# Altium PCB PCB3.PcbDoc (part 2 of 2)
Units mil, origin at the board's own origin, x right, y up, seen from the top; angles counter-clockwise.
Board outline 1700 x 2952.76 mil, 4 copper layers (Top Layer, Int1 (GND), Int2 (PWR), Bottom Layer), stack 31.734 mil thick; 78 components, 106 nets, 698 pads, 475 vias.
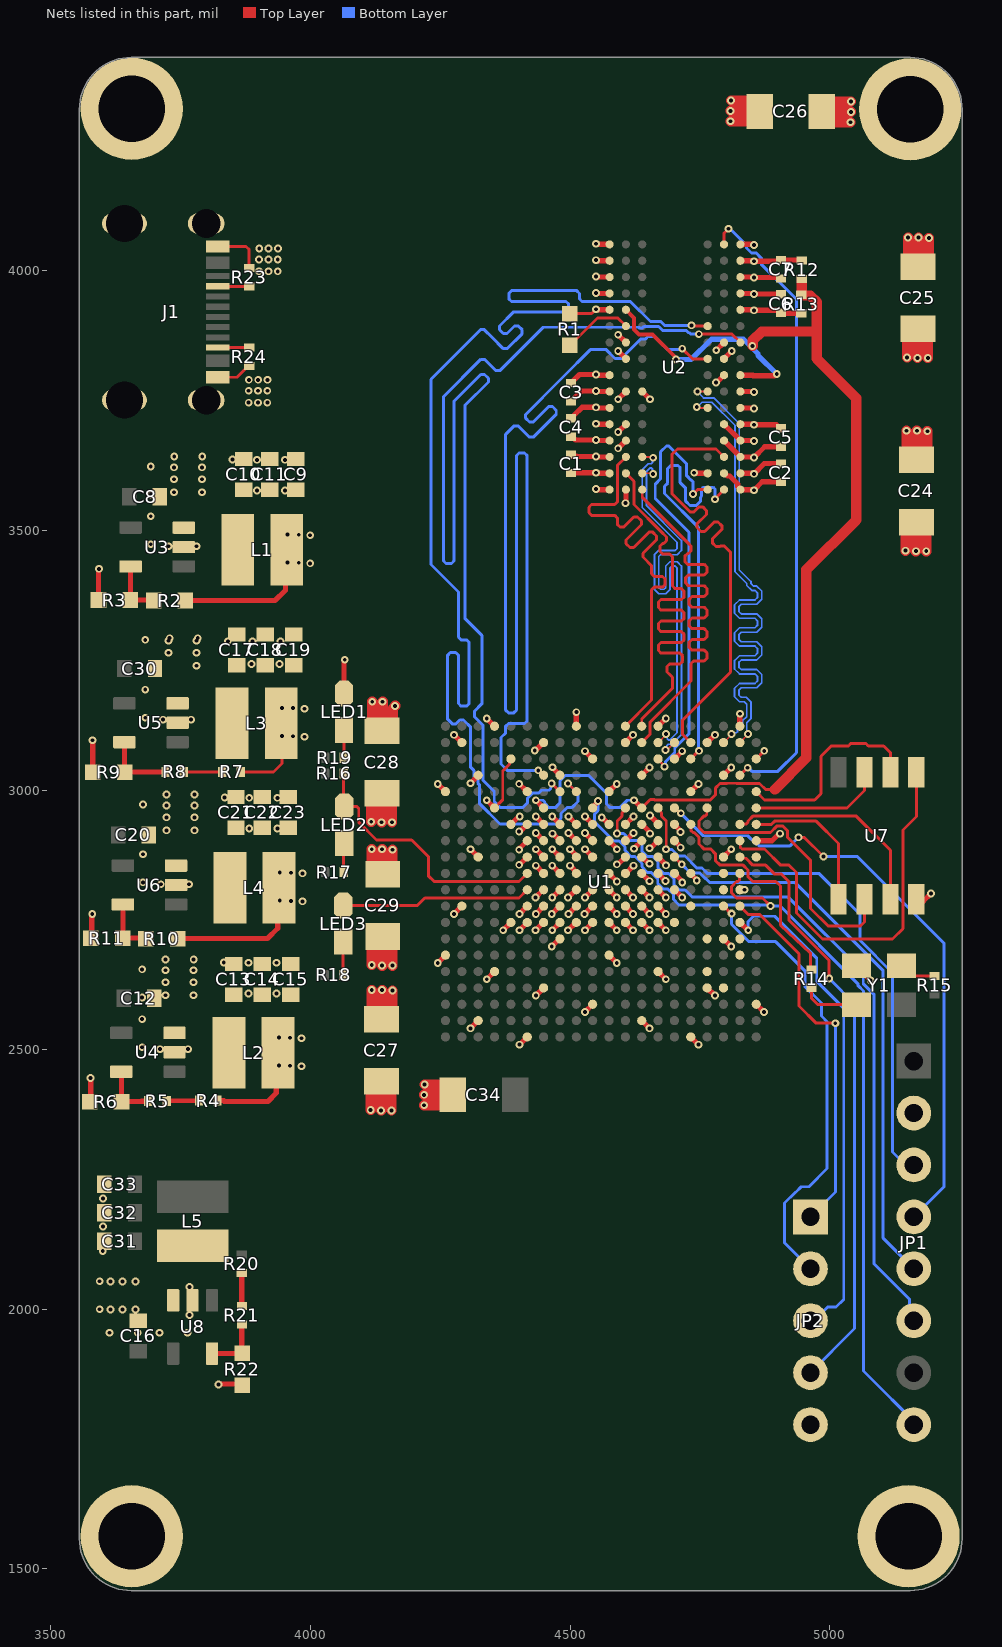
[diagram p4: the nets of this part, all layers, seen from the top]

## Via types
v1: diameter 15, hole 7.5, Top Layer to Bottom Layer, tented both sides, 471 vias
v2: diameter 15, hole 7, Top Layer to Bottom Layer, tented both sides, 4 vias

## Nets (pads, with @x,y where several pads share a name; then routed paths per layer and width w, separated by ;. In a path a pad name is that pad's centre, name@x,y a point inside that pad or via, vN(x,y) a via of type N, cw(c..) or ccw(c..) an arc to the next point about the centre after c; other vN are vias at no path point) (continued)
DDR_DQ10: U1.J1 U2.C8 | length 871.6
  Top Layer w5.68: U1.J1@4606.5,3122.95 4657,3173.46 4657,3362.1 4657,3385.62 4662.17,3390.79 4678.02,3390.79 4683.19,3395.96 4683.19,3406.3 4678.02,3411.47 4662.17,3411.47 4657,3416.64 4657,3421.55 4657,3432 4640.43,3448.57 4640.43,3455.89 4666.56,3482.02 4666.56,3489.33 4659.24,3496.64 4651.93,3496.64 4622.49,3467.19 4615.18,3467.19 4607.86,3474.51 4607.86,3481.82 4637.31,3511.26 4637.31,3518.58 4630,3525.89 4622.69,3525.89 4603.48,3506.68 4596.17,3506.68 4591,3511.85 4591,3516.84 4591,3521.01 4591,3523.85 4585.83,3529.02 4541.51,3529.02 4536.34,3534.19 4536.34,3544.53 4541.51,3549.7 4585.83,3549.7 4591,3554.87 4591,3570 4591,3624.98 U2.C8@4607.52,3641.5
DDR_DQ11: U1.E2 U2.C2 | length 871.6
  Top Layer w5.68: U1.E2@4732.48,3091.46 4716.78,3107.15 4716.78,3134.78 4809,3227 4809,3458 4799,3468 4796.99,3470.01 4789.68,3470.01 4788.51,3468.83 4781.19,3468.83 4773.88,3476.15 4773.88,3483.46 4792.24,3501.81 4792.24,3509.12 4784.93,3516.44 4777.62,3516.44 4759.26,3498.08 4751.95,3498.08 4744.64,3505.39 4744.64,3512.7 4762.7,3530.76 4762.7,3538.07 4755.39,3545.39 4748.08,3545.39 4738.5,3535.81 4731.19,3535.81 4703,3564 4696,3571 4696,3646 4707,3657 4780.99,3657 U2.C2@4796.5,3641.5
DDR_DQ12: U1.H2 U2.A7 | length 869.8
  Top Layer w5.68: U1.H2@4637.99,3091.46 4653.79,3107.25 4653.79,3130.79 4733,3210 4733,3220 4733,3243.52 4738.17,3248.69 4758.33,3248.69 4763.5,3253.86 4763.5,3264.2 4758.33,3269.37 4734.62,3269.37 4729.45,3274.54 4729.45,3284.88 4734.62,3290.05 4758.33,3290.05 4763.5,3295.22 4763.5,3305.56 4758.33,3310.73 4734.62,3310.73 4729.45,3315.9 4729.45,3326.24 4734.62,3331.41 4758.33,3331.41 4763.5,3336.58 4763.5,3346.92 4758.33,3352.09 4734.62,3352.09 4729.45,3357.26 4729.45,3367.6 4734.62,3372.77 4758.33,3372.77 4763.5,3377.94 4763.5,3388.28 4758.33,3393.45 4727.76,3393.45 4722.59,3398.62 4722.59,3408.96 4727.76,3414.13 4758.33,3414.13 4763.5,3419.3 4763.5,3429.64 4758.33,3434.81 4726.17,3434.81 4721,3439.98 4721,3450.32 4726.17,3455.49 4727.83,3455.49 4733,3460.66 4733,3470 4727.76,3475.24 4639.02,3563.98 U2.A7@4639.02,3578.5
DDR_DQ13: U1.E3 U2.A2 | length 827.1
  Top Layer w5.68: U1.E3@4732.48,3059.49 U1.E3@4732.48,3059.96 ; U1.E3@4732.48,3060.43 U1.E3@4732.48,3059.96 ; v1(4748.02,3075.5) U1.E3@4732.48,3059.96 ; v1(4779,3560) 4779,3561.01 U2.A2@4796.5,3578.5
  Bottom Layer w5.68: v1(4748.02,3075.5) 4747,3076.51 4747,3506 4682,3571 4682,3585 4688,3591 4688,3619 4694,3625 4708,3625 4712,3621 4712,3592 4722.66,3581.34 4722.66,3556.34 4731,3548 4743,3548 4751,3556 4751,3563.72 4753.32,3566.04 4753.32,3579.67 4756.64,3583 4775.67,3583 4779,3579.67 v1(4779,3560)
DDR_DQ14: U1.H1 U2.B8 | length 871.6
  Top Layer w5.68: U2.B8@4607.52,3610 4623,3594.52 4623,3550 4674.46,3498.54 4685.5,3487.5 4685.5,3480.19 4680.33,3475.02 4678.42,3475.02 4673.25,3469.85 4673.25,3459.51 4678.42,3454.34 4691.83,3454.34 4697,3449.17 4697,3439.52 4697,3395.77 4697,3392.93 4702.17,3387.76 4714.6,3387.76 4719.77,3382.59 4719.77,3372.25 4714.6,3367.08 4675.25,3367.08 4670.08,3361.91 4670.08,3351.57 4675.25,3346.4 4714.6,3346.4 4719.77,3341.23 4719.77,3330.89 4714.6,3325.72 4675.25,3325.72 4670.08,3320.55 4670.08,3310.21 4675.25,3305.04 4714.6,3305.04 4719.77,3299.87 4719.77,3289.53 4714.6,3284.36 4675.25,3284.36 4670.08,3279.19 4670.08,3268.85 4675.25,3263.68 4711.65,3263.68 4716.82,3258.51 4716.82,3248.17 4711.65,3243 4691.83,3243 4686.66,3237.83 4686.66,3227.49 4691.83,3222.32 4697,3217.15 4697,3204 4697,3196 4637.99,3136.99 U1.H1@4637.99,3122.95
DDR_DQ15: U1.G3 U2.A3 | length 841.4
  Top Layer w5.68: U1.G3@4669.49,3059.96 4669.49,3058.74 4682,3046.22 v1(4682,3045) ; v1(4737,3570) 4745.5,3578.5 U2.A3@4765,3578.5
  Bottom Layer w5.68: v1(4682,3045) 4683.65,3046.65 4683.65,3054.65 4701.57,3072.57 4701.57,3080.83 4729,3108.26 4729,3496.34 4664,3561.34 4664,3589 4674.34,3599.34 4674.34,3651.34 4685.51,3662.51 4690.21,3662.51 4724.64,3628.08 4724.64,3605.11 4733.04,3596.71 4733.67,3596.71 4737,3593.38 v1(4737,3570)
DDR_DQS0_N: U1.B2 U2.G3 | length 1033
  Top Layer w3.39: v1(4745.5,3767.47) U2.G3@4759.52,3767.47 ; U1.B2@4826.97,3091.46 4842.48,3106.97 v1(4842.48,3108)
  Bottom Layer w3.39: v1(4745.5,3767.47) 4745.5,3766.73 4756.97,3755.25 4776.62,3755.25 4826,3705.87 4826,3423.87 4848.3,3401.57 4848.59,3401.28 4848.59,3397.41 4853.19,3392.82 4859.67,3392.82 4869.19,3383.3 4869.19,3367.15 4859.67,3357.63 4829.74,3357.63 4825.14,3353.03 4825.14,3343.84 4829.74,3339.24 4859.67,3339.24 4869.19,3329.72 4869.19,3313.57 4859.67,3304.05 4829.74,3304.05 4825.14,3299.46 4825.14,3290.26 4829.74,3285.66 4859.67,3285.66 4869.19,3276.14 4869.19,3259.99 4859.67,3250.48 4829.74,3250.48 4825.14,3245.88 4825.14,3236.68 4829.74,3232.08 4859.67,3232.08 4869.19,3222.56 4869.19,3206.41 4859.67,3196.9 4829.74,3196.9 4825.14,3192.3 4825.14,3183.1 4829.74,3178.5 4839.08,3178.5 4848.59,3168.99 4848.59,3143.56 4848.59,3138.06 4840.26,3129.72 4840.26,3110.22 v1(4842.48,3108)
DDR_DQS0_P: U1.C2 U2.F3 | length 1033
  Top Layer w3.39: v1(4744.02,3737.46) 4745.5,3735.97 U2.F3@4759.52,3735.97 ; U1.C2@4795.47,3091.46 4810.98,3106.97 v1(4810.98,3108)
  Bottom Layer w3.39: v1(4744.02,3737.46) 4744.76,3737.46 4754.16,3746.86 4773.14,3746.86 4817.61,3702.39 4817.61,3420.39 4836.43,3401.57 4840.2,3397.8 4840.2,3393.94 4849.71,3384.42 4856.19,3384.42 4860.79,3379.82 4860.79,3370.63 4856.19,3366.03 4826.26,3366.03 4816.75,3356.51 4816.75,3340.36 4826.26,3330.84 4856.19,3330.84 4860.79,3326.24 4860.79,3317.05 4856.19,3312.45 4826.26,3312.45 4816.75,3302.93 4816.75,3286.78 4826.26,3277.26 4856.19,3277.26 4860.79,3272.67 4860.79,3263.47 4856.19,3258.87 4826.26,3258.87 4816.75,3249.35 4816.75,3233.2 4826.26,3223.69 4856.19,3223.69 4860.79,3219.09 4860.79,3209.89 4856.19,3205.29 4826.26,3205.29 4816.75,3195.78 4816.75,3179.62 4826.26,3170.11 4835.6,3170.11 4840.2,3165.51 4840.2,3143.56 4840.2,3141.53 4831.87,3133.2 4831.87,3127.92 4822.53,3118.59 4822.53,3112.3 4820.45,3110.22 4813.2,3110.22 v1(4810.98,3108)
DDR_DQS1_N: U1.F2 U2.B7 | length 815.4
  Top Layer w3.39: U2.B7@4644.5,3610.01 v1@4658.52,3610.01 ; v1(4684,3077) 4686.53,3077 U1.F2@4700.98,3091.46
  Bottom Layer w3.39: v1(4660,3608.53) 4658.54,3609.98 4658.54,3618.09 4656.56,3620.08 4653.74,3620.08 4647.41,3613.74 4647.41,3547.59 4714.39,3480.61 4714.39,3468.98 4714.39,3461.35 4706.13,3453.08 4674.16,3453.08 4670.82,3449.73 4670.82,3389.94 4674.16,3386.59 4680.86,3386.59 4684.21,3389.94 4684.21,3431.42 4692.48,3439.69 4706.13,3439.69 4714.39,3431.42 4714.39,3372 4714.39,3106.86 4695.63,3088.1 4689.34,3088.1 4686.22,3084.97 4686.22,3079.22 v1(4684,3077)
DDR_DQS1_P: U1.G2 U2.C7 | length 815.4
  Top Layer w3.39: U2.C7@4644.5,3641.51 v1@4658.52,3641.51 ; U1.G2@4669.49,3091.46 4685,3106.97 v1(4685,3108)
  Bottom Layer w3.39: v1(4660,3640.02) 4658.54,3638.57 4658.54,3630.46 4656.56,3628.47 4650.27,3628.47 4639.01,3617.22 4639.01,3544.11 4706,3477.13 4706,3468.98 4706,3464.82 4702.65,3461.48 4670.69,3461.48 4662.42,3453.21 4662.42,3386.46 4670.69,3378.19 4684.34,3378.19 4692.61,3386.46 4692.61,3427.94 4695.95,3431.29 4702.65,3431.29 4706,3427.94 4706,3372 4706,3110.34 4692.15,3096.49 4689.34,3096.49 4687.22,3098.61 4687.22,3105.78 v1(4685,3108)
DDR_ODT: U1.N5 U2.K1 | length 2435
  Top Layer w5.68: v1(4464.5,3012.5) 4480.04,2996.97 U1.N5@4480.51,2996.97 ; v1(4748,3878) 4811.96,3878 U2.K1@4827.99,3861.97
  Bottom Layer w5.68: v1(4464.5,3012.5) 4462.79,3010.79 4462.79,3002.93 4459.46,2999.6 4444.89,2999.6 4440.03,2994.74 4428.15,2994.74 4418.34,2984.93 4418.34,2975.87 4408.53,2966.06 4365.67,2966.06 4353.94,2977.79 4353.94,2997.34 4332.02,3019.26 4332.02,3125.18 4316.35,3140.85 4316.35,3152.35 4330,3166 4330,3298 4297.35,3330.65 4297.35,3390 4297.35,3403.18 4297.35,3740.35 4342.69,3785.69 4342.69,3793 4335.38,3800.31 4328.06,3800.31 4276.67,3748.92 4276.67,3441.41 4271.5,3436.24 4261.16,3436.24 4255.99,3441.41 4255.99,3757.48 4328.06,3829.56 4335.38,3829.56 4357.31,3807.62 4364.62,3807.62 4366.63,3809.63 4448.24,3891.24 4632.24,3891.24 4634.05,3889.42 4638.76,3889.42 4642.04,3892.7 4670.68,3892.7 4678.06,3885.32 4723.4,3885.32 4728.06,3880.66 4730.03,3880.66 4732.69,3878 v1(4748,3878)
DDR_RAS: U1.P4 U2.J3 | length 2464.7
  Top Layer w5.68: v1(4438.74,3038) 4448.28,3028.46 U1.P4@4449.02,3028.46 ; v1(4716,3850) 4735.53,3830.47 U2.J3@4765,3830.47
  Bottom Layer w5.68: v1(4438.74,3038) 4379,3038 4367,3050 4367,3101 4376,3110 4376,3120 4376,3122.84 4381.17,3128.01 4412.19,3128.01 4417.36,3133.18 4417.36,3643.99 4412.19,3649.16 4401.85,3649.16 4396.68,3643.99 4396.68,3153.86 4391.51,3148.69 4381.17,3148.69 4376,3153.86 4376,3652 4376,3685 4390.5,3699.5 4392.51,3701.51 4399.82,3701.51 4421.75,3679.57 4429.06,3679.57 4473.35,3723.85 4473.35,3731.17 4466.03,3738.48 4458.72,3738.48 4429.06,3708.82 4421.75,3708.82 4414.44,3716.13 4414.44,3723.44 4480.84,3789.84 4486.5,3795.5 4539,3848 4569.71,3848 4586.65,3831.06 4598.53,3831.06 4636.47,3869 4645.72,3869 4650.06,3873.34 4662.66,3873.34 4688,3848 4708.01,3848 4708.23,3848.22 4714.22,3848.22 v1(4716,3850)
DDR_RESET_N: U1.B4 U2.T2 | length 1236.8
  Top Layer w5.68: U2.T2@4796.5,4050.94 4796.5,4072.5 v1(4805,4081) ; U1.B4@4826.97,3028.46 4841.5,3043 v1(4842,3043)
  Bottom Layer w5.68: v1(4805,4081) 4807.52,4081 4811.67,4076.85 4812.15,4076.85 4839.68,4049.32 4839.68,4043.96 4849.48,4034.15 4858.55,4034.15 4868.36,4024.34 4868.36,4012.64 4936,3945 4936,3072 4900,3036 4849.99,3036 4842.99,3043 v1(4842,3043)
DDR_WE: U1.M5 U2.L3 | length 2450.5
  Top Layer w5.68: v1(4496,3012.5) 4511.54,2996.97 U1.M5@4512.01,2996.97 ; v1(4734,3895) 4735.54,3893.46 U2.L3@4765,3893.46
  Bottom Layer w5.68: v1(4496,3012.5) 4515,2993.5 4515,2978.04 4503.02,2966.06 4493.96,2966.06 4482.74,2954.84 4482.74,2945.78 4471.52,2934.56 4365.16,2934.56 4325.26,2974.46 4325.26,3010.26 4322.34,3013.18 4322.34,3018.94 4314.68,3026.6 4314.68,3038.01 4307.96,3044.73 4307.96,3121.86 4296.91,3132.91 4294.9,3134.92 4287.59,3134.92 4280.28,3127.61 4272.97,3127.61 4264.26,3136.32 4264.26,3259.78 4269.43,3264.94 4279.77,3264.94 4284.94,3259.78 4284.94,3166.72 4290.11,3161.55 4300.45,3161.55 4305.62,3166.72 4305.62,3284.14 4300.45,3289.31 4290.11,3289.31 4284.94,3294.48 4284.94,3309.99 4284.94,3318 4284.94,3381.34 4232,3434.28 4232,3791 4325.56,3884.56 4327.57,3886.57 4334.88,3886.57 4349.51,3871.95 4371.44,3850.01 4378.75,3850.01 4407.7,3878.96 4407.7,3886.27 4400.39,3893.58 4393.07,3893.58 4378.75,3879.26 4371.44,3879.26 4364.13,3886.57 4364.13,3893.88 4390.57,3920.32 4492.13,3920.32 4497.3,3925.49 4497.3,3935.83 4492.13,3941 4387.17,3941 4382,3946.17 4382,3956.51 4387.17,3961.68 4512.81,3961.68 4517.98,3956.51 4517.98,3946.17 4523.15,3941 4525.99,3941 4616,3941 4654.62,3902.38 4674.69,3902.38 4682.07,3895 v1(4734,3895)
ETH_MDC: U1.C10
ETH_MDIO: U1.C11
GND: C1.2 C2.2 C3.2 C4.2 C5.2 C6.2 C7.2 C8.2 C9.2 C10.2 C11.2 C12.2 C13.2 C14.2 C15.2 C16.2 C17.2 C18.2 C19.2 C20.2 C21.2 C22.2 C23.2 C24.2 C25.2 C26.2 C27.2 C28.2 C29.2 C30.2 C31.2 C32.2 C33.2 C34.2 J1.1 J1.2 J1.3 J1.4 J1.A1-B12 J1.B1-A12 JP1.2 JP2.5 LED1.2 pad. R1.1 R3.1 R6.1 R9.1 R11.1 R13.1 R22.1 R23.1 R24.1 U1.A8 U1.A18 U1.B1 U1.B11 U1.C4 U1.C9 U1.C14 U1.D17 U1.E10 U1.E20 U1.F3 U1.F7 U1.F10 U1.G10 U1.G12 U1.G16 U1.H7 U1.H9 U1.H11 U1.H13 U1.H19 U1.J2 U1.J8 U1.J10 U1.J12 U1.K5 U1.K7 U1.K10 U1.K11 U1.K13 U1.K15 U1.L8 U1.L9 U1.L12 U1.L18 U1.M1 U1.M7 U1.M9 U1.M10 U1.M11 U1.M13 U1.N4 U1.N8 U1.N10 U1.N12 U1.N14 U1.P7 U1.P9 U1.P11 U1.P13 U1.P17 U1.R8 U1.R12 U1.R20 U1.T3 U1.T7 U1.T13 U1.U6 U1.U16 U1.V9 U1.V19 U1.W2 U1.W12 U1.Y5 U1.Y15 U2.A9 U2.B1 U2.B3 U2.B9 U2.D1 U2.D8 U2.E1 U2.E2 U2.E8 U2.F9 U2.G1 U2.G8 U2.G9 U2.J2 U2.J8 U2.M1 U2.M9 U2.P1 U2.P9 U2.T1 U2.T9 U3.2 U4.2 U5.2 U6.2 U7.4 U8.2 Y1.2 | length 3970.5
  Top Layer w5.68: J1.B1-A12@3821.84,3795.02 3858.47,3795.02 3880.03,3816.57 R24.1@3882,3816.57 ; J1.A1-B12@3821.84,4046.98 3876.02,4046.98 3882,4041 R23.1@3882,4005.43 ; U1.U6@4354.53,2965.47 4370.33,2981.27 4370.33,3036.86 4383.72,3050.25 4383.72,3057.66 U1.T3@4386.02,3059.96 ; R1.1@4499,3917.59 4541.58,3917.59 v1(4550,3926.01)
  Top Layer w10: v1(3576.25,2445.28) 3577,2444.53 R6.1@3577,2399.4 ; R11.1@3579,2715 3579,2756.47 3580.18,2757.65 v1@3580.18,2759 ; v1(3580.07,3095.88) 3580.82,3095.13 R9.1@3580.82,3034 ; R3.1@3591.82,3366 3591.82,3423.47 3593,3424.65 v1(3593,3426) ; v1(3822.72,1855.25) 3823.47,1856 R22.1@3868.6,1856 ; LED1.2@4064.74,3186 4064.74,3248.39 4066,3249.65 v1(4066,3251) ; v1(4245.11,2667.08) U1.Y15@4260.04,2682.01 ; v1(4245.11,3011.9) U1.Y5@4260.04,2996.97 ; v1(4276.61,2761.57) U1.W12@4291.54,2776.5 ; v1(4276.61,3106.38) U1.W2@4291.54,3091.46 ; v1(4308.1,2541.1) U1.V19@4323.03,2556.02 ; v1(4308.1,2885.91) U1.V9@4323.03,2870.98 ; v1(4339.6,2635.58) U1.U16@4354.53,2650.51 ; v1(4339.6,2980.4) U1.U6@4354.53,2965.47 ; v1(4371.1,2730.07) U1.T13@4386.02,2745 ; U1.T7@4386.02,2933.98 4400.09,2948.04 4402.04,2948.04 v1(4403,2949) ; v1(4402,2885) 4402.96,2885.96 4402.96,2887.92 U1.R8@4417.52,2902.48 ; v1(4402.59,2509.6) U1.R20@4417.52,2524.53 ; v1(4402.59,2761.57) U1.R12@4417.52,2776.5 ; v1(4433.27,2730.07) U1.P13@4448.2,2745 ; v1(4433.27,2793.06) U1.P11@4448.2,2807.99 ; v1(4434.09,2604.09) U1.P17@4449.02,2619.02 ; v1(4434.09,2885.91) U1.P9@4449.02,2870.98 ; v1(4434.09,2948.9) U1.P7@4449.02,2933.98 ; v1(4464.76,2698.58) U1.N14@4479.69,2713.5 ; v1(4464.76,2761.57) U1.N12@4479.69,2776.5 ; v1(4465.58,2854.42) U1.N10@4480.51,2839.49 ; v1(4466,2916) 4466.99,2916 U1.N8@4480.51,2902.48 ; v1(4466.05,3043.98) 4466.05,3042.93 U1.N4@4480.51,3028.46 ; v1(4496.26,2730.07) U1.M13@4511.19,2745 ; v1(4496.26,2793.06) U1.M11@4511.19,2807.99 ; v1(4497.08,2948.9) U1.M7@4512.01,2933.98 ; v1(4499.58,2854.4) U1.M10@4514.51,2839.47 ; v1(4499.58,2885.9) U1.M9@4514.51,2870.97 ; C1.2@4502,3610.57 4502.48,3611.05 v1(4550,3611.05) 4551.35,3611.05 4552.4,3610 U2.B9@4576.02,3610 ; C4.2@4502,3716 4503.97,3716 4506.84,3718.87 4506.84,3720.84 4523.03,3737.03 v1(4550,3737.03) 4551.35,3737.03 4552.4,3735.98 U2.F9@4576.02,3735.98 ; C3.2@4502,3748.28 4503.97,3748.28 4506.84,3751.16 4506.84,3753.13 4522.24,3768.53 v1(4550,3768.53) 4551.35,3768.53 4552.4,3767.48 U2.G9@4576.02,3767.48 ; U1.M1@4512.01,3122.95 v1(4512,3150) ; v1(4527.76,2761.57) U1.L12@4542.68,2776.5 ; v1(4528.58,2572.59) U1.L18@4543.5,2587.52 ; v1(4528.58,2885.91) U1.L9@4543.5,2870.98 ; v1(4528.58,2917.41) U1.L8@4543.5,2902.48 ; v1(4550,3579.55) 4551.35,3579.55 4552.4,3578.5 U2.A9@4576.02,3578.5 ; v1(4550,3926.01) 4551.35,3926.01 4552.4,3924.96 U2.M9@4576.02,3924.96 ; v1(4550,3989) 4551.35,3989 4552.4,3987.95 U2.P9@4576.02,3987.95 ; v1(4550,4051.99) 4551.35,4051.99 4552.4,4050.94 U2.T9@4576.02,4050.94 ; v1(4561,2947) 4561.98,2947 U1.K7@4575,2933.98 ; U1.K15@4575,2682.01 v1(4589.93,2667.08) ; U1.K13@4575,2745 v1(4589.93,2730.07) ; U1.K11@4575,2807.99 v1(4589.93,2793.06) ; U1.K10@4575,2839.49 4590,2824.49 v1(4590,2824) ; U1.K5@4575,2996.97 v1(4589.93,3011.9) ; v1(4592.59,3658.06) U2.D8@4607.52,3672.99 ; v1(4592.59,3689.56) U2.E8@4607.52,3704.49 ; v1(4592.59,3752.55) U2.G8@4607.52,3767.48 ; v1(4592.59,3845.4) U2.J8@4607.52,3830.47 ; U1.J12@4606.5,2776.5 v1(4621.42,2761.57) ; U1.J2@4606.5,3091.46 v1(4621.42,3106.38) ; U1.J10@4607.32,2839.49 v1(4622.24,2854.42) ; U1.J8@4607.32,2902.48 v1(4622.24,2917.41) ; U1.H19@4637.99,2556.02 v1(4652.92,2541.1) ; U1.H13@4637.99,2745 v1(4652.92,2730.07) ; U1.H11@4637.99,2807.99 v1(4652.92,2793.06) ; U1.H9@4638.81,2870.98 4651.8,2858 v1(4653,2858) ; U1.H7@4638.81,2933.98 4653.04,2919.75 4653.04,2916.96 v1(4654,2916) ; U1.G16@4669.49,2650.51 v1(4684.42,2635.58) ; U1.G12@4669.49,2776.5 v1(4684.42,2761.57) ; U1.G10@4670.31,2839.49 4670.31,2838.69 v1(4684,2825) ; U1.F10@4700.98,2839.49 4715.04,2825.43 4715.04,2822.96 v1(4716,2822) ; U1.F7@4700.98,2933.98 4700.98,2933.64 4711.91,2922.72 4711.91,2919.97 v1(4712.87,2919.01) ; U1.F3@4700.98,3059.96 v1(4715.91,3074.89) ; U1.E20@4732.48,2524.53 v1(4747.41,2509.6) ; U1.E10@4732.48,2839.49 4732.48,2838.79 4744,2827.27 v1(4744,2826) ; v1(4738.98,3611.05) 4740.33,3611.05 4741.38,3610 U2.B3@4765,3610 ; U1.D17@4763.98,2619.02 v1(4778.9,2604.09) ; U1.C14@4795.47,2713.5 v1(4810.4,2698.58) ; U1.C9@4795.47,2870.98 v1(4810.4,2885.91) ; U1.C4@4795.47,3028.46 v1(4810.4,3043.39) ; U2.E2@4796.5,3704.49 U2.D1@4827.99,3672.99 4851.62,3672.99 4852.66,3671.94 v1(4854.02,3671.94) ; U2.J2@4796.5,3830.47 v1(4811.42,3845.4) ; U1.B11@4826.97,2807.99 v1(4836,2808) ; U1.B1@4826.97,3122.95 4826.92,3123 4826.92,3146.92 v1(4827,3147) ; U2.B1@4827.99,3610 4851.62,3610 4852.66,3608.95 v1(4854.02,3608.95) 4874.06,3629 C2.2@4906,3629 ; U2.E1@4827.99,3704.49 4851.62,3704.49 4852.66,3703.44 v1(4854.02,3703.44) 4897.31,3703.44 4904.03,3696.72 C5.2@4906,3696.72 ; U2.G1@4827.99,3767.48 4851.62,3767.48 4852.66,3766.43 v1(4854.02,3766.43) ; U2.M1@4827.99,3924.96 4851.62,3924.96 4852.66,3923.91 v1(4854.02,3923.91) C6.2@4901.37,3923.91 ; U2.P1@4827.99,3987.95 4851.62,3987.95 4852.66,3986.91 v1(4854.02,3986.91) 4904.38,3986.91 C7.2@4906,3985.28 ; U2.T1@4827.99,4050.94 4851.62,4050.94 4852.66,4049.9 v1(4854.02,4049.9) ; U1.A18@4858.46,2587.52 v1(4873.39,2572.59) ; U1.A8@4858.46,2902.48 4889.13,2902.48 4902.65,2916 v1(4904,2916) ; C6.2@4906,3919.28 4907,3918.28 R13.1@4945,3918.28 ; Y1.2@5064,2648 v1(5078.93,2633.07) ; U7.4@5180,2786 v1(5194.93,2800.93)
  Top Layer w20: v1(4116,2384) C27.2@4116,2422 ; v1(4118,2663) C29.2@4118,2701 ; C28.2@4119,3129.59 v1(4119,3170) ; v1(4136,2383) C27.2@4136,2438 ; v1(4138,2662) C29.2@4138,2717 ; C28.2@4139,3115 v1(4139,3170) ; v1(4156,2383) C27.2@4156,2423.41 ; v1(4158,2662) C29.2@4158,2702.41 ; C28.2@4159,3131 4159,3158 v1(4163,3162) ; v1(4219,2393) C34.2@4259.41,2393 ; v1(4219,2413) C34.2@4274,2413 ; v1(4220,2433) C34.2@4258,2433 ; C26.2@4986,4306 v1(5041,4306) ; C26.2@5000.59,4326 v1(5041,4326) ; C26.2@5002,4286 v1(5040,4286) ; v1(5146,3461) C24.2@5146,3499 ; v1(5149,3833) C25.2@5149,3871 ; v1(5166,3460) C24.2@5166,3515 ; v1(5169,3832) C25.2@5169,3887 ; v1(5186,3460) C24.2@5186,3500.41 ; v1(5189,3832) C25.2@5189,3872.41
  other v1: 3613.26,1954.95 3667.26,1954.95 3709.26,1954.95 3763.26,1954.95 3767.07,1989.09 3594.07,2000.09 3615.13,1999.76 3638.13,1999.76 3663.13,1999.76 3767.07,2043.09 3594.07,2054.09 3615.13,2053.76 3638.13,2053.76 3663.13,2053.76 3600.07,2112.09 3600.6,2159.43 3600.6,2213.43 3710.09,2500.93 3764.09,2500.93 3675.95,2504.74 3675.95,2558.74 3675.95,2600.74 3720.76,2604.87 3774.76,2604.87 3720.76,2629.87 3774.76,2629.87 3720.76,2652.87 3774.76,2652.87 3675.95,2654.74 3880.43,2667.4 3934.43,2667.4 3833.09,2667.93 3721.09,2673.93 3775.09,2673.93 3579.7,2761.2 3711.85,2818.53 3765.85,2818.53 3677.71,2822.33 3677.71,2876.33 3722.51,2922.47 3776.51,2922.47 3722.51,2947.47 3776.51,2947.47 3722.51,2970.47 3776.51,2970.47 3677.71,2972.33 3882.18,2985 3936.18,2985 3834.85,2985.53 3722.85,2991.53 3776.85,2991.53 3715.91,3135.53 3769.91,3135.53 3681.77,3139.33 3681.77,3193.33 3780.58,3239.47 3726.58,3264.47 3780.58,3264.47 3888.24,3286 3942.24,3286 3726.58,3287.47 3780.58,3287.47 3840.91,3286.53 3681.77,3289.33 3728.91,3292.53 3782.91,3292.53 3726.67,3469.53 3780.67,3469.53 3692.53,3473.33 3692.53,3527.33 3692.53,3569.33 3737.33,3573.47 3791.33,3573.47 3737.33,3598.47 3791.33,3598.47 3737.33,3621.47 3791.33,3621.47 3692.53,3623.33 3897,3636 3951,3636 3849.67,3636.53 3737.67,3642.53 3791.67,3642.53 3881,3746 3899,3746 3917,3746 3881,3769 3899,3769 3917,3769 3881.33,3790.06 3899.33,3790.06 3917.33,3790.06 3901,3999 3919,3999 3937,3999 3901,4022 3919,4022 3937,4022 3901.33,4043.06 3919.33,4043.06 3937.33,4043.06
NetJ1_A5: J1.A5 R23.2 | length 60.2
  Top Layer w5.68: J1.A5@3821.84,3970.21 3821.95,3970.11 3881.89,3970.11 R23.2@3882,3970
NetJ1_B5: J1.B5 R24.2 | length 60.2
  Top Layer w5.68: J1.B5@3821.84,3852.1 3821.89,3852.05 3881.95,3852.05 R24.2@3882,3852
NetL1_1: L1.1 U3.3
NetL2_1: L2.1 U4.3
NetL3_1: L3.1 U5.3
NetL4_1: L4.1 U6.3
NetL5_1: L5.1 U8.3
NetLED1_1: LED1.1 R19.2 | length 54.1
  Top Layer w5.68: R19.2@4064.19,3062.11 4064.74,3062.66 LED1.1@4064.74,3116
NetLED2_1: LED2.1 R17.2 | length 56.4
  Top Layer w5.68: R17.2@4064,2842 4064,2897 LED2.1@4065,2898
NetLED2_2: LED2.2 R16.2 U1.R10 | length 520.5
  Top Layer w5.68: R16.2@4064,3032 4064,2969 LED2.2@4065,2968 4089.67,2968 4093,2964.67 4093,2938 4127,2904 4195,2904 4227,2872 4227,2835 4238.21,2823.79 4401.82,2823.79 U1.R10@4417.52,2839.49
NetLED3_1: LED3.1 R18.2 | length 64
  Top Layer w5.68: R18.2@4063,2644 LED3.1@4063,2708
NetLED3_2: LED3.2 U1.R11 | length 366.9
  Top Layer w5.68: LED3.2@4063,2778 4206,2778 4220.19,2792.19 4401.72,2792.19 U1.R11@4417.52,2807.99
NetR1_2: R1.2 U2.L8 | length 136.7
  Top Layer w5.68: R1.2@4499,3856.41 4511.16,3868.57 4512.57,3868.57 4553,3909 4591.98,3909 U2.L8@4607.52,3893.46
NetR2_1: R2.1 R3.2 U3.5 | length 110.3
  Top Layer w10: U3.5@3653.64,3430.6 3653.64,3366.64 R3.2@3653,3366 3697,3366 R2.1@3698,3365
NetR4_1: R4.1 R5.2 | length 62.2
  Top Layer w10: R5.2@3723.12,2401 R4.1@3785.28,2402.26
NetR5_1: R5.1 R6.2 U4.5 | length 123.1
  Top Layer w10: U4.5@3635.82,2457.6 3635.82,2399.76 R6.2@3636.18,2399.4 3637.18,2400.4 R5.1@3687.69,2400.4 ; 3674.82,2401 R5.1@3687.69,2401
NetR7_1: R7.1 R8.2 | length 74.2
  Top Layer w5.68: R8.2@3756.05,3035 R7.1@3830.28,3035
NetR8_1: R8.1 R9.2 U5.5 | length 137.4
  Top Layer w10: U5.5@3641.64,3092.2 3641.64,3034.36 R9.2@3642,3034 3643,3035 R8.1@3720.62,3035
NetR10_1: R10.1 R11.2 U6.5 | length 110.3
  Top Layer w10: U6.5@3638.82,2779.6 3638.82,2715.64 R11.2@3638.18,2715 3682.18,2715 R10.1@3683.18,2714
NetR14_2: R14.2 Y1.3 | length 112.1
  Top Layer w5.68: R14.2@4965,2619.29 4965,2599 4977.4,2586.6 Y1.3@5051.69,2586.6
NetR15_2: R15.2 Y1.1 | length 71.9
  Top Layer w5.68: Y1.1@5138.31,2661.4 5158,2641.71 R15.2@5202,2641.71
NetR20_1: R20.1 R21.2 | length 63.7
  Top Layer w10: R21.2@3867.63,2006.12 3867.63,2056.97 ; 3867.63,2056.98 R20.1@3867.63,2069.85
NetR21_1: R21.1 R22.2 U8.5 | length 114.3
  Top Layer w10: U8.5@3810.4,1914.82 3868.24,1914.82 R22.2@3868.6,1915.18 3867.6,1916.18 R21.1@3867.6,1964.26 ; 3868,1957.82 R21.1@3868,1964.26
PS_CLK: R14.1 U1.E7 | length 437.1
  Top Layer w5.68: U1.E7@4732.48,2933.98 4733.23,2933.23 4733.23,2921.51 4736.56,2918.18 4738.98,2918.18 4748.23,2908.93 4748.23,2896.03 4757.47,2886.78 4770.38,2886.78 4779.77,2877.39 4779.77,2864.48 4789.02,2855.24 4833.42,2855.24 4842.69,2845.97 4842.69,2833.06 4851.96,2823.79 4862.1,2823.79 4862.31,2824 4896,2824 4905,2815 4905,2739.86 4963.03,2685.97 R14.1@4963.03,2654.72